# Altium PCB Minion.PcbDoc (part 5 of 10) (continued)
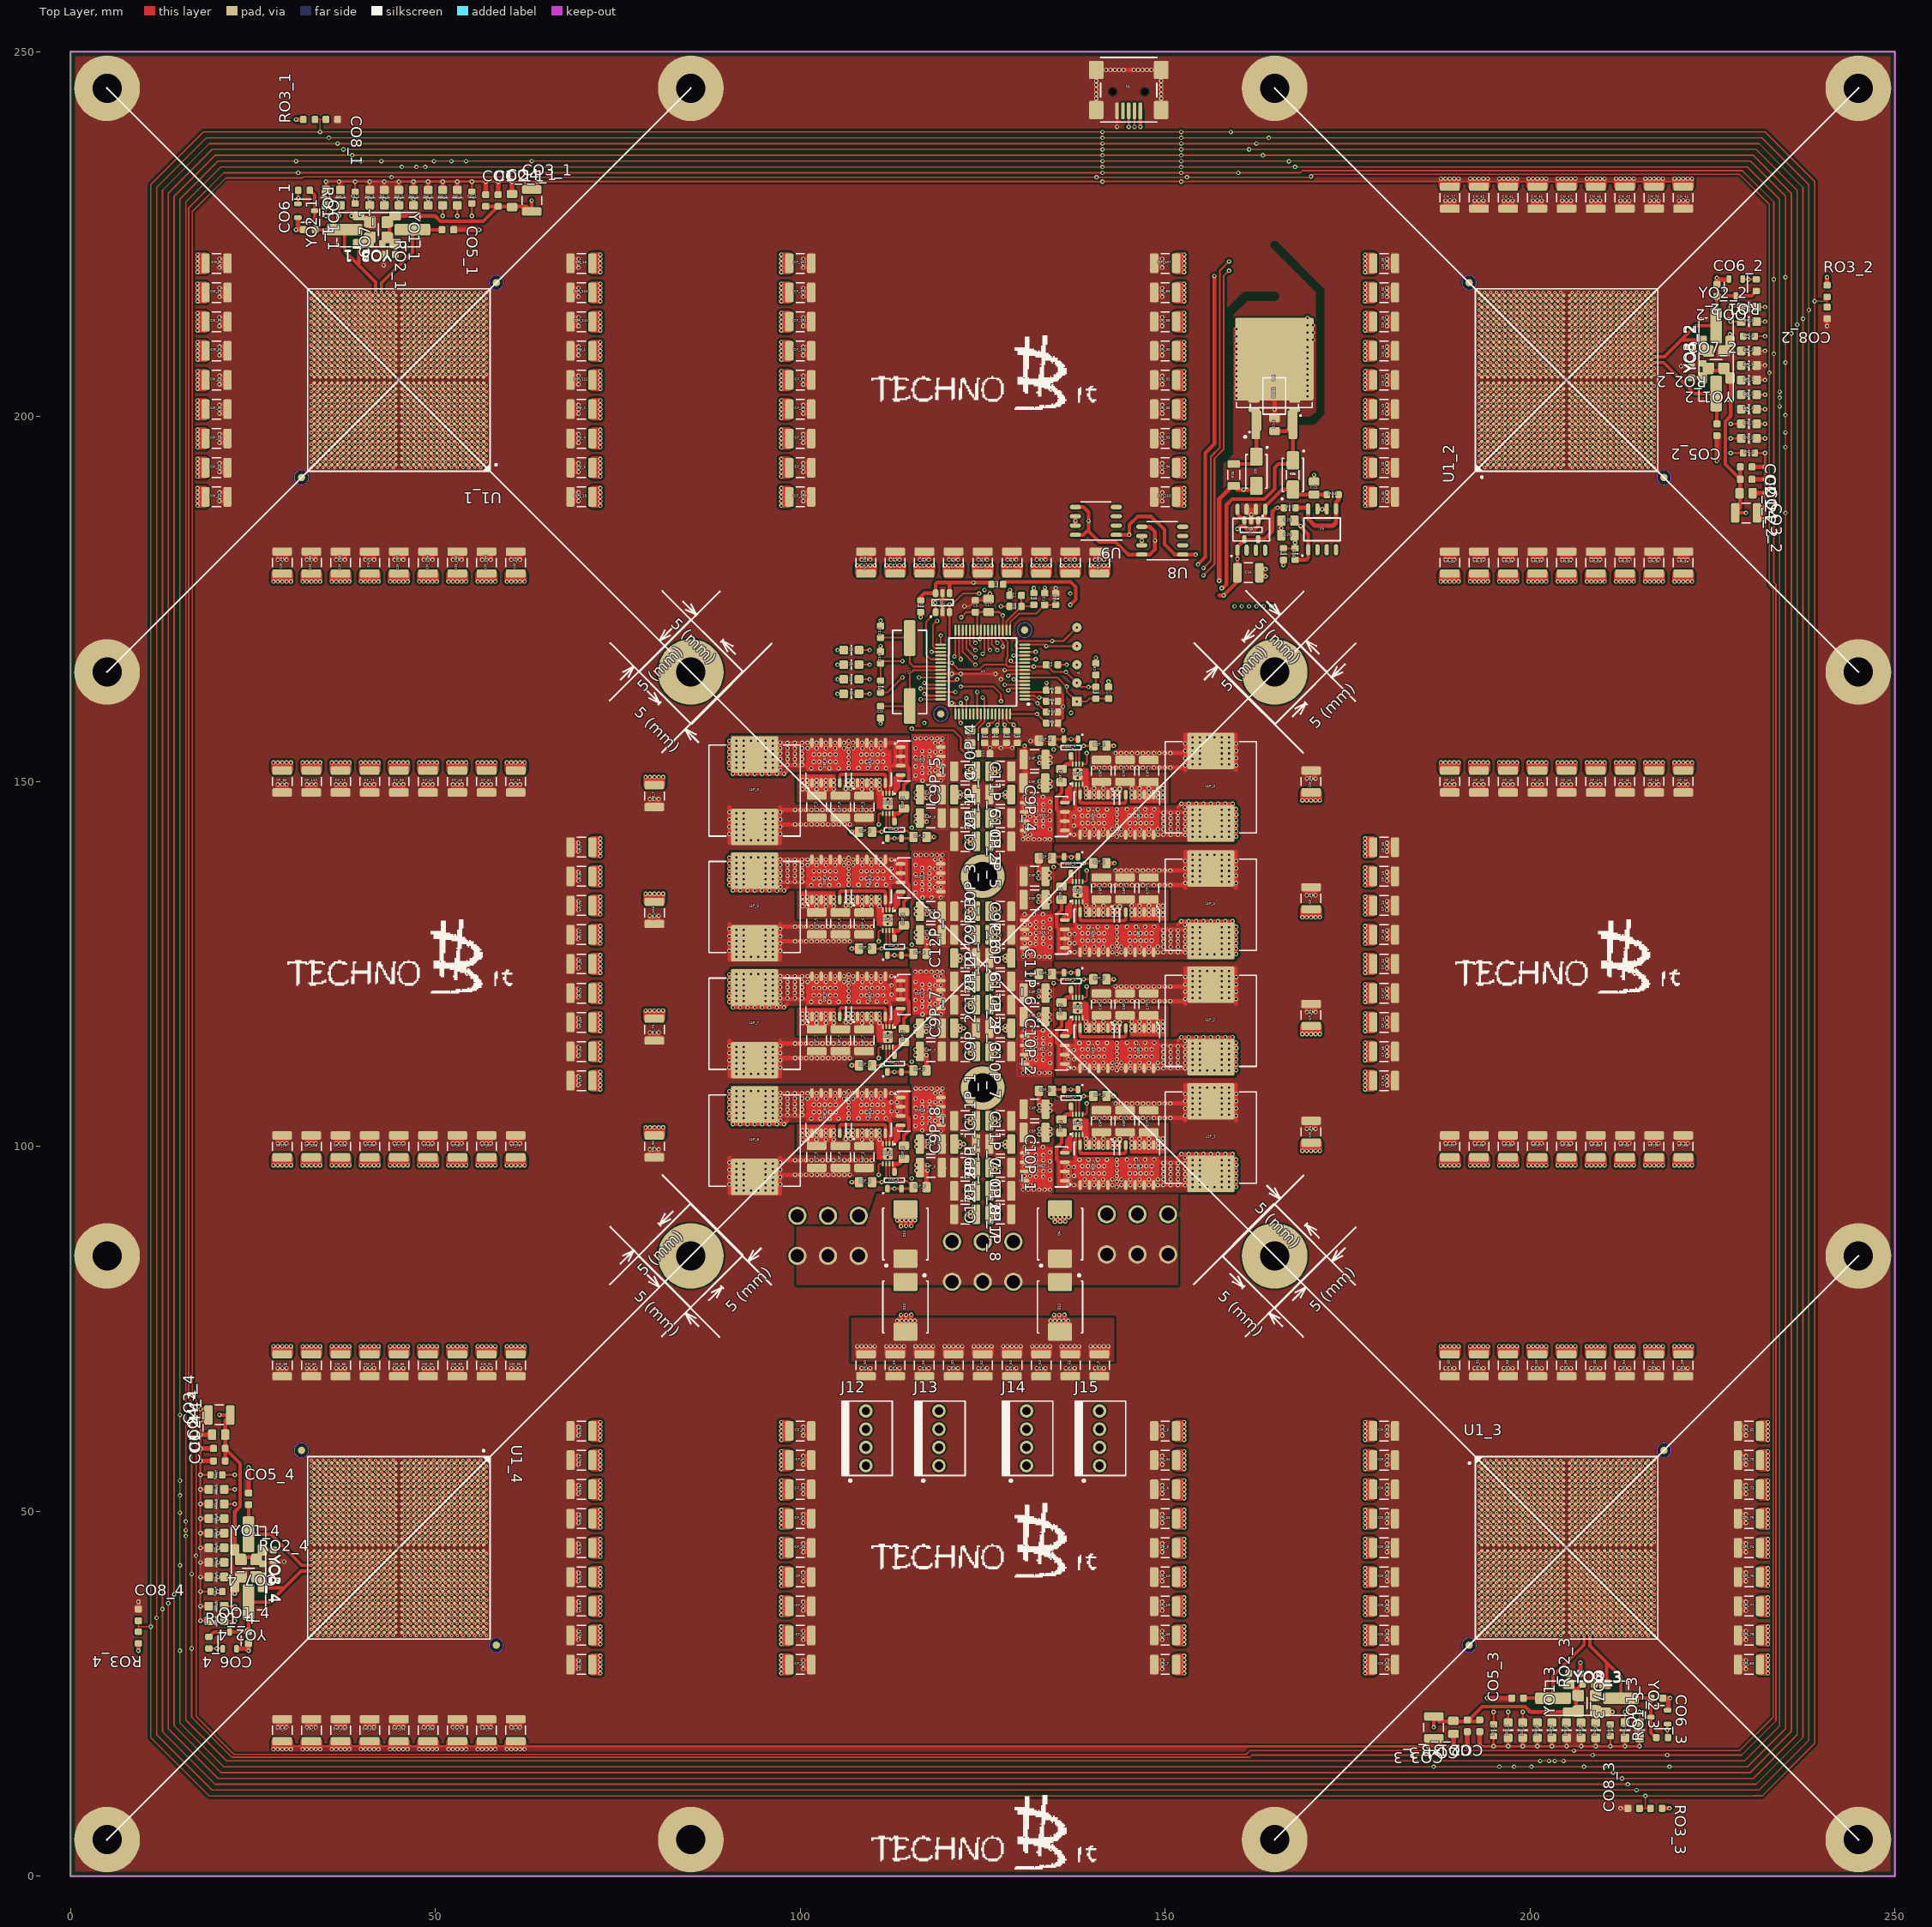
[diagram p0: Top Layer view]
## Nets (pads, with @x,y where several pads share a name; then routed paths per layer and width w, separated by ;. In a path a pad name is that pad's centre, name@x,y a point inside that pad or via, vN(x,y) a via of type N, cw(c..) or ccw(c..) an arc to the next point about the centre after c; other vN are vias at no path point) (continued)
0.9V: C26.1 R29.2 R31.2 U1_1.AJ16 U1_2.AJ16 U1_3.AJ16 U1_4.AJ16 | length 977.6
  Top Layer w0.2: v1@43.975,232.825 31.925,232.825 31.8,232.7 21.3,232.7 16.7,228.1 16.7,65.7 17.2,65.2 17.2,21.9 22.4,16.7 161.1,16.7 161.6,17.2 228.7,17.2 233.3,21.8 233.3,176.4 232.8,176.9 232.8,229.1 228.7,233.2 170.3,233.2 169.9,232.8 v1(140.6,232.8) 64.284,232.8
  Top Layer w0.25: v1@43.975,232.825 v1(44,232.8) 44.025,232.825 64.259,232.825 64.284,232.8 ; R31.2@166.312,181.95 167.787,181.95 167.787,183.65 C26.1@167.712,183.725
  Mid-Top Layer w0.2: v1(17.2,43.9) 21,43.9 21.9,44.8 33.2,44.8 v2(33.8,44.2) ; v2(205.8,33.8) 205.2,33.2 205.2,22.5 206,21.7 v1(206,17.2) ; v2(216.2,205.8) 216.7,205.3 217.7,205.3 218.4,206 v1(232.8,206)
  Mid-Top Layer w0.25: v1(44,232.8) 44,229.1 44.8,228.3 44.8,216.8 v2(44.2,216.2) ; v1(167.8,182.725) 169.3,184.225 169.3,202.066 168.875,202.491 168.875,231.775 v1(170,232.9)
  other v1: 153,232.8
1.8V: C25.2 R29.1 U1_1.AJ12 U1_1.AJ15 U1_1.AK13 U1_2.AJ12 U1_2.AJ15 U1_2.AK13 U1_3.AJ12 U1_3.AJ15 U1_3.AK13 U1_4.AJ12 U1_4.AJ15 U1_4.AK13 U6.1 | length 1208.8
  Top Layer w0.2: 15.8,21.4 v1(15.8,46.6) v1(15.8,47.4) v1(15.8,48.6) 15.8,229.4 20.6,234.2 v1(45.4,234.2) v1(47.4,234.2) v1(48.6,234.2) 229.8,234.2 234.2,229.8 234.2,20.6 229.4,15.8 v1(204.6,15.8) v1(203.4,15.8) v1(202.6,15.8) v1(201.4,15.8) 21.4,15.8 15.8,21.4
  Top Layer w0.5: C25.2@167.712,185.75 169.595,183.867 U6.1@169.595,181.75 169.595,180.645 169.325,180.375 R29.1@167.812,180.375
  Mid-Top Layer w0.1: 32.5,48.6 33.4,48.6 v2(33.8,48.2) ; v2(48.2,216.2) 48.6,216.6 48.6,217.5 ; 201.4,33.4 v2(201.8,33.8) 201.4,33.4 ; 201.4,33.4 201.4,32.5 201.4,33.4 ; 216.6,201.4 v2(216.2,201.8) 216.6,201.4 ; 216.6,201.4 217.5,201.4 216.6,201.4
  Mid-Top Layer w0.2: v1(15.8,46.6) 16.2,46.2 31.5,46.2 32.4,45.3 33.3,45.3 v2(33.8,45.8) ; v1(15.8,47.4) 16.2,47.8 32.6,47.8 v2(33,47.4) ; v1(15.8,48.6) 16.2,48.2 32.1,48.2 32.5,48.6 ; v1(45.4,234.2) 45.8,233.8 45.8,217.8 45.3,217.3 45.3,216.7 v2(45.8,216.2) ; v2(47.4,217) 47.8,217.4 47.8,233.8 v1(47.4,234.2) ; 48.6,217.5 48.2,217.9 48.2,233.8 v1(48.6,234.2) ; v1(201.4,15.8) 201.8,16.2 ; v1(202.6,15.8) 202.2,16.2 ; v1(203.4,15.8) 204.4,16.8 204.4,32.2 204.7,32.5 204.7,33.3 v2(204.2,33.8) ; 204.2,16.2 v1(204.6,15.8) ; v2(216.2,204.2) 216.8,204.8 228.7,204.8 229.7,203.8 233.8,203.8 v1(234.2,203.4) ; v1(234.2,201.4) 233.8,201.8 ; v1(234.2,202.6) 233.8,202.2 ; 201.8,16.2 201.8,32.1 ; 201.8,16.2 201.8,32.1 ; 201.8,32.1 201.4,32.5 201.8,32.1 ; 202.2,16.2 202.2,32.6 ; 202.2,16.2 202.2,32.6 ; 202.2,32.6 v2(202.6,33) 202.2,32.6 ; 217.4,202.2 v2(217,202.6) 217.4,202.2 ; 217.4,202.2 233.8,202.2 ; 217.4,202.2 233.8,202.2 ; 217.9,201.8 217.5,201.4 217.9,201.8 ; 217.9,201.8 233.8,201.8 ; 217.9,201.8 233.8,201.8
  Mid-Top Layer w0.5: v1(167.8,234.2) 167.8,185.762 v1(168.562,185)
  other v1: 141.4,234.2 152.2,234.2
3.3V: C4.1 C8.1 C9.1 C10.1 C11.1 C16.1 C17.1 CO1_1.1 CO1_2.1 CO1_3.1 CO1_4.1 CO2_1.1 CO2_2.1 CO2_3.1 CO2_4.1 CO3_1.1 CO3_2.1 CO3_3.1 CO3_4.1 CO4_1.1 CO4_2.1 CO4_3.1 CO4_4.1 CO7_1.1 CO7_2.1 CO7_3.1 CO7_4.1 J1.2 R17.1 R22.2 R27.1 RO2_1.2 RO2_2.2 RO2_3.2 RO2_4.2 RO3_1.2 RO3_2.2 RO3_3.2 RO3_4.2 U1.10 U1.19 U1.26 U1.35 U1.38 U1.57 U1_1.AJ19 U1_1.AJ23 U1_1.AK4 U1_1.AK6 U1_1.AK10 U1_2.AJ19 U1_2.AJ20 U1_2.AJ23 U1_2.AK4 U1_2.AK6 U1_2.AK10 U1_3.AJ19 U1_3.AJ23 U1_3.AK4 U1_3.AK6 U1_3.AK10 U1_3.AK21 U1_4.AJ19 U1_4.AJ20 U1_4.AJ23 U1_4.AK4 U1_4.AK6 U1_4.AK10 U1_4.AK21 U3.4 U3.5 U7.1 U8.1 U9.1 YO1_1.1 YO1_1.4 YO1_2.1 YO1_2.4 YO1_3.1 YO1_3.4 YO1_4.1 YO1_4.4 YO3_1.1 YO3_1.4 YO3_2.1 YO3_2.4 YO3_3.1 YO3_3.4 YO3_4.1 YO3_4.4 YO4_1.1 YO4_1.4 YO4_2.1 YO4_2.4 YO4_3.1 YO4_3.4 YO4_4.1 YO4_4.4 YO5_1.1 YO5_1.4 YO5_2.1 YO5_2.4 YO5_3.1 YO5_3.4 YO5_4.1 YO5_4.4 | length 1808.4
  Top Layer w0.2: v1(15,63.2) v1(15,54.2) ; 140.6,235 230.2,235 235,230.2 235,20.2 229.8,15 v1(210.2,15) v1(207.4,15) v1(197.8,15) 21,15 15,21 v1(15,39.8) v1(15,42.6) v1(15,52.2) v1(15,54.2) ; v1(141.4,235) v1(63.2,235) v1(54.2,235) v1(52.2,235) v1(42.6,235) v1(39.8,235) 20.2,235 15,229.8 v1(15,54.2)
  Top Layer w0.25: R17.1@111,163.8 C10.1@111,166.2 111.3,166.5 v1(114,166.5) ; v1(118,167.75) U1.35@119.25,167.75 ; U1.38@119.25,166.25 v1(120.75,166.25) 121.625,165.375 124.575,165.375 125.2,166 128.225,166 ; v1(122.05,172.5) 122.725,173.175 122.725,173.2 C9.1@124,173.2 ; U1.26@124.25,170.75 124.25,172.95 C9.1@124,173.2 ; C11.1@124.425,153.825 124.425,154.831 124.425,157.369 125.25,158.194 U1.57@125.25,159.25 125.25,161.25 v1(125,161.5) ; C8.1@140.5,164.6 R22.2@140.5,162.95 v1(139.5,162.95) 138.45,162.95 v1(137.9,163.5) v1(136.4,165) 134.7,165 C4.1@133.7,166 133.45,165.75 v1(132,165.75) U1.10@130.75,165.75 128.475,165.75 128.225,166 ; C9.1@124,173.2 C17.1@125.8,173.2 127.3,173.2 v1(127.75,172.75) U1.19@127.75,170.75 127.75,169.825 128.425,169.15 128.425,166.984 128.225,166.784 128.225,166
  Top Layer w0.5: v1(20.4,63.2) CO3_4.1@21.9,63.2 21.2,62.5 CO2_4.1@21.2,58.601 ; CO1_4.1@21.2,56.9 CO2_4.1@21.2,58.601 ; RO2_4.2@26.3,42.7 26.3,42.9 YO3_4.4@25.5,43.7 ; YO1_4.4@26.3,44.5 YO3_4.4@25.5,43.7 ; YO1_4.4@26.3,44.7 CO7_4.1@27.8,44.7 ; RO2_1.2@42.7,223.7 42.9,223.7 YO3_1.4@43.7,224.5 ; CO7_1.1@44.5,222.2 YO1_1.4@44.5,223.7 YO3_1.4@43.7,224.5 ; CO1_1.1@56.9,228.8 CO2_1.1@58.601,228.8 ; v1(63.2,229.6) CO3_1.1@63.2,228.1 62.5,228.8 CO2_1.1@58.601,228.8 ; C11.1@124.4,153.8 C11.1@124.425,153.825 ; U9.1@143.3,183.795 v1(145.083,183.795) ; v1@145.1,183.795 145.1,185.2 146.2,186.3 148.1,186.3 149.9,184.5 149.9,182.5 151.305,181.095 U8.1@152.4,181.095 v1(154.183,181.095) ; 157.4,175.5 v1(158,175.5) 160,177.5 160,178.7 C16.1@159.9,178.6 v1(159.9,180.5) 159.9,182.145 160.855,183.1 U3.5@162.755,183.1 ; U3.5@162.745,183.2 163.6,183.2 164.695,184.295 164.695,187 165.195,187.5 v1(165.4,187.5) R27.1@166.262,187.5 ; v1(186.8,20.4) CO3_3.1@186.8,21.9 187.5,21.2 CO1_3.1@191.399,21.2 ; CO2_3.1@193.1,21.2 CO1_3.1@191.399,21.2 ; YO1_3.4@205.3,26.3 CO7_3.1@205.3,27.8 ; YO1_3.4@205.5,26.3 YO3_3.4@206.3,25.5 ; RO2_3.2@207.3,26.3 207.1,26.3 YO3_3.4@206.3,25.5 ; CO7_2.1@222.1,205.3 YO1_2.4@223.6,205.3 ; YO1_2.4@223.7,205.5 YO3_2.4@224.5,206.3 ; RO2_2.2@223.7,207.3 223.7,207.1 YO3_2.4@224.5,206.3 ; CO2_2.1@228.8,193.1 CO1_2.1@228.8,191.399 ; v1(229.6,186.8) CO3_2.1@228.1,186.8 228.8,187.5 CO1_2.1@228.8,191.399 ; CO2_4.1@21.2,58.601 23.25,56.551 23.25,50.689 22.5,49.939 22.5,44.5 23.3,43.7 YO3_4.4@25.5,43.7 ; YO3_1.4@43.7,224.5 43.7,226.7 YO1_1.1@44.5,227.5 49.939,227.5 50.689,226.75 56.551,226.75 CO2_1.1@58.601,228.8 ; CO1_3.1@191.399,21.2 193.449,23.25 199.311,23.25 200.061,22.5 205.5,22.5 206.3,23.3 YO3_3.4@206.3,25.5 ; YO3_2.4@224.5,206.3 226.7,206.3 227.5,205.5 227.5,200.061 226.75,199.311 226.75,193.449 CO1_2.1@228.8,191.399
  Top Layer w0.6: v1(9.3,30.9) RO3_4.2@9.3,31.9 ; v1(30.9,240.7) RO3_1.2@31.9,240.7 ; RO3_3.2@218.1,9.3 v1(219.1,9.3) ; RO3_2.2@240.7,218.1 v1(240.7,219.1)
  Mid-Top Layer w0.1: 32.5,39 33.4,39 v2(33.8,38.6) ; 32.5,42.2 33.4,42.2 v2(33.8,41.8) ; v2(38.6,216.2) 39,216.6 39,217.5 ; v2(41.8,216.2) 42.2,216.6 42.2,217.5 ; 207.8,33.4 v2(208.2,33.8) 207.8,33.4 ; 207.8,33.4 207.8,32.5 207.8,33.4 ; 211,33.4 v2(211.4,33.8) 211,33.4 ; 211,33.4 211,32.5 211,33.4 ; 216.6,207.8 v2(216.2,208.2) 216.6,207.8 ; 216.6,207.8 217.5,207.8 216.6,207.8 ; 216.6,211 v2(216.2,211.4) 216.6,211 ; 216.6,211 217.5,211 216.6,211
  Mid-Top Layer w0.2: v1(9.3,30.9) v1(15,30.9) ; v1(15,39.8) 31.7,39.8 ; v1(15,42.6) 15.4,42.2 32.5,42.2 ; v1(15,49.8) v2(33,49.8) ; v1(15,52.2) 32.2,52.2 v2(33,53) ; v1(15,54.2) 32.6,54.2 v2(33,54.6) ; v1(30.9,235) v1(30.9,240.7) ; 32.5,39 31.7,39.8 ; v2(33.8,41) 32.6,39.8 31.7,39.8 ; 39,217.5 39.8,218.3 v1(39.8,235) ; 42.2,217.5 42.2,234.6 v1(42.6,235) ; v2(49.8,217) v1(49.8,235) ; v1(52.2,235) 52.2,217.8 v2(53,217) ; v1(54.2,235) 54.2,217.4 v2(54.6,217) ; v1(207.4,15) 207.8,15.4 ; v2(209.8,33) 210.2,32.6 210.2,31.7 ; v2(216.2,208.2) v2(216.2,209) ; v1(219.1,9.3) v1(219.1,15) ; v1(235,207.4) 234.6,207.8 ; v1(235,219.1) v1(240.7,219.1) ; 195.8,32.6 v2(195.4,33) 195.8,32.6 ; 195.8,32.6 v1(195.8,15) 195.8,32.6 ; 197.8,32.2 v2(197,33) 197.8,32.2 ; 197.8,32.2 v1(197.8,15) 197.8,32.2 ; 207.8,15.4 207.8,32.5 207.8,15.4 ; 210.2,31.7 211,32.5 210.2,31.7 ; 210.2,31.7 v1(210.2,15) 210.2,31.7 ; 217.4,195.8 v2(217,195.4) 217.4,195.8 ; 217.4,195.8 v1(235,195.8) 217.4,195.8 ; 217.8,197.8 v2(217,197) 217.8,197.8 ; 217.8,197.8 v1(235,197.8) 217.8,197.8 ; 218.3,210.2 217.5,211 218.3,210.2 ; 218.3,210.2 v1(235,210.2) 218.3,210.2 ; 234.6,207.8 217.5,207.8 234.6,207.8 ; v1(200.2,15) v2(200.2,33) v1(200.2,15) ; v2(217,200.2) v1(235,200.2) v2(217,200.2)
  Mid-Top Layer w0.25: v1(114,166.5) 115.25,167.75 v1(118,167.75) 119.25,167.75 v1(120.75,166.25) 121.625,165.375 122.5,165.375 123.375,164.5 123.375,162.15 124.025,161.5 v1(125,161.5)
  Mid-Top Layer w0.5: v1(165.4,187.5) 166.05,187.5 166.96,188.41 v1(166.96,234.96)
  Mid-Bottom Layer w0.2: v1(15,63.2) v1(20.4,63.2) ; v1(63.2,229.6) v1(63.2,235) ; v1(186.8,15) v1(186.8,20.4) ; v1(229.6,186.8) v1(235,186.8)
  Mid-Bottom Layer w0.25: v1@120.775,166.25 v1(120.75,166.25) 120.35,166.65 120.35,170.8 v1(122.05,172.5)
  Mid-Bottom Layer w0.5: v1(127.75,172.75) 130,175 157.5,175 v1(158,175.5) ; v1(154.183,181.095) 159.305,181.095 v1(159.9,180.5)
  other v1: 152.2,235
  other v2: 33,40.2
5.0V: C1P_1.2 C1P_2.2 C1P_3.2 C1P_4.2 C1P_5.2 C1P_6.2 C1P_7.2 C1P_8.2 C14.1 D1P_1.1 D1P_1.2 D1P_2.1 D1P_2.2 D1P_3.1 D1P_3.2 D1P_4.1 D1P_4.2 D1P_5.1 D1P_5.2 D1P_6.1 D1P_6.2 D1P_7.1 D1P_7.2 D1P_8.1 D1P_8.2 D7.1 D8.2 pad.0@115.5,94.4 pad.0@115.5,110.4 pad.0@115.5,126.4 pad.0@115.5,142.4 pad.0@134.5,107.6 pad.0@134.5,123.6 pad.0@134.5,139.5 pad.0@134.5,155.6 R26.1 U1P_1.7 U1P_2.7 U1P_3.7 U1P_4.7 U1P_5.7 U1P_6.7 U1P_7.7 U1P_8.7 U2.1 U4.3 U5.3 | length 299.7
  Top Layer w0.2: U1P_8.7@112.225,97.6 112.225,95.925 112.9,95.25 ; U1P_7.7@112.225,113.6 112.225,111.925 112.9,111.25 ; U1P_6.7@112.225,129.6 112.225,127.925 112.9,127.25 ; U1P_5.7@112.225,145.6 112.225,143.925 112.9,143.25 ; 137.1,106.75 137.775,106.075 U1P_1.7@137.775,104.4 ; 137.1,122.75 137.775,122.075 U1P_2.7@137.775,120.4 ; 137.1,138.65 137.775,137.975 U1P_3.7@137.775,136.3 ; 137.1,154.75 137.775,154.075 U1P_4.7@137.775,152.4
  Top Layer w0.25: 112.9,95.25 114.65,95.25 pad.0@115.5,94.4 ; 112.9,111.25 114.65,111.25 pad.0@115.5,110.4 ; 112.9,127.25 114.65,127.25 pad.0@115.5,126.4 ; 112.9,143.25 114.65,143.25 pad.0@115.5,142.4 ; v1(122,163) 126.5,163 127.5,162 v1(127.5,161) ; C1P_1.2@134.5,107.6 135.35,106.75 137.1,106.75 ; C1P_2.2@134.5,123.6 135.35,122.75 137.1,122.75 ; C1P_3.2@134.5,139.5 135.35,138.65 137.1,138.65 ; C1P_4.2@134.5,155.6 135.35,154.75 137.1,154.75
  Top Layer w0.35: D1P_8.1@111.95,94.2 v1(112.9,94.2) pad.0@115.4,94.2 ; D1P_7.1@111.95,110.2 v1(112.9,110.2) pad.0@115.4,110.2 ; D1P_6.1@111.95,126.2 v1(112.9,126.2) pad.0@115.4,126.2 ; D1P_5.1@111.95,142.2 v1(112.9,142.2) pad.0@115.4,142.2 ; C1P_1.2@134.6,107.8 v1(137.1,107.8) D1P_1.1@138.05,107.8 ; C1P_2.2@134.6,123.8 v1(137.1,123.8) D1P_2.1@138.05,123.8 ; C1P_3.2@134.6,139.7 D1P_3.1@138.05,139.7 ; C1P_4.2@134.6,155.8 v1(137.1,155.8) D1P_4.1@138.05,155.8
  Top Layer w0.5: v1(157.75,176.5) 157.9,176.5 158.4,177 158.4,187.9 159.2,188.7 163.6,188.7 165,190.1 165,193 165.5,193.5 R26.1@167.5,193.5 D7.1@167.5,194 U4.3@167.5,198.875 166.625,198 C14.1@165,198
  Mid-Top Layer w0.25: v1(112.9,94.2) 114.175,95.475 114.175,110.225 ; v1(112.9,110.2) 112.925,110.225 114.175,110.225 ; v1(112.9,126.2) 114.175,126.2 ; v1(112.9,142.2) 114.175,142.2 ; 114.175,127.18 114.175,142.2 ; 114.175,127.179 114.175,126.2 ; v1(117,158) 116.225,158.775 115.07,158.775 114.175,157.879 114.175,142.2 ; 135.8,138 135.8,155.8 v1(137.1,155.8) ; v1(137.1,107.8) 135.8,109.1 135.8,123.8 ; v1(137.1,123.8) 135.8,123.8 ; v1(137.151,139.601) 137.2,139.65 135.8,139.65 135.8,123.8 ; 114.175,110.225 114.175,126.2
  Mid-Top Layer w0.5: v1(137,175.75) 136,175.75 135.425,175.175 135.425,162.675 137.1,161 v1(137.1,159.4)
  Mid-Bottom Layer w0.25: v1(117,158) 117,160.25 119.75,163 v1(122,163) ; v1(127.5,161) 128.5,160 132.95,160 133.55,159.4 v1(137.1,159.4) v1(137.1,155.8)
  Mid-Bottom Layer w0.5: v1(137,175.75) 157,175.75 v1(157.75,176.5)
12V: C4P_1.1 C4P_2.1 C4P_3.1 C4P_4.1 C4P_5.1 C4P_6.1 C4P_7.1 C4P_8.1 C5P_1.1 C5P_2.1 C5P_3.1 C5P_4.1 C5P_5.1 C5P_6.1 C5P_7.1 C5P_8.1 C9P_1.1 C9P_2.1 C9P_3.1 C9P_4.1 C9P_5.1 C9P_6.1 C9P_7.1 C9P_8.1 C10P_1.1 C10P_2.1 C10P_3.1 C10P_4.1 C10P_5.1 C10P_6.1 C10P_7.1 C10P_8.1 C11P_1.1 C11P_2.1 C11P_3.1 C11P_4.1 C11P_5.1 C11P_6.1 C11P_7.1 C11P_8.1 C12P_1.1 C12P_2.1 C12P_3.1 C12P_4.1 C12P_5.1 C12P_6.1 C12P_7.1 C12P_8.1 D6.1 D9.2 D10.1 D11.1 D12.1 J4.2 J4.4 J4.6 J9.2 J9.4 J9.6 J10.2 J10.4 J10.6 J12.3 J13.3 J14.3 J15.3 pad.0@119.6,144.8 pad.0@119.6,148 pad.0@119.7,97 pad.0@119.7,100.2 pad.0@119.625,128.9 pad.0@119.625,132.1 pad.0@130.4,133.8 pad.0@130.4,137 pad.0@130.5,101.9 pad.0@130.5,105.1 pad.0@130.5,149.8 pad.0@130.5,153 Q1P_1.5 Q1P_1.6 Q1P_1.7 Q1P_1.8 Q1P_2.5 Q1P_2.6 Q1P_2.7 Q1P_2.8 Q1P_3.5 Q1P_3.6 Q1P_3.7 Q1P_3.8 Q1P_4.5 Q1P_4.6 Q1P_4.7 Q1P_4.8 Q1P_5.5 Q1P_5.6 Q1P_5.7 Q1P_5.8 Q1P_6.5 Q1P_6.6 Q1P_6.7 Q1P_6.8 Q1P_7.5 Q1P_7.6 Q1P_7.7 Q1P_7.8 Q1P_8.5 Q1P_8.6 Q1P_8.7 Q1P_8.8 R15.1 R28.2 | length 311
  Top Layer w0.4: 116.115,102.86 116.3,103.045 ; 116.115,118.86 116.3,119.045 ; 116.115,134.86 116.3,135.045 ; 116.115,150.86 116.3,151.045 ; 133.7,98.955 133.885,99.14 ; 133.7,114.955 133.885,115.14 ; 133.7,130.855 133.885,131.04 ; 133.7,146.955 133.885,147.14
  Top Layer w0.5: 116.115,102.86 116.115,107.922 119.25,107.922 Q1P_8.5@119.25,102.895 ; 116.115,118.86 116.115,123.922 119.25,123.922 Q1P_7.5@119.25,118.895 ; 116.115,134.86 116.115,139.922 119.25,139.922 Q1P_6.5@119.25,134.895 ; 116.115,150.86 116.115,155.922 119.25,155.922 Q1P_5.5@119.25,150.895 ; 117.868,107.325 119.618,107.325 119.618,102.325 v1@118.118,102.325 ; 117.868,123.325 119.618,123.325 119.618,118.325 v1@118.118,118.325 ; 117.868,139.325 119.618,139.325 119.618,134.325 v1@118.118,134.325 ; 117.868,155.325 119.618,155.325 119.618,150.325 v1@118.118,150.325 ; Q1P_1.5@130.75,99.105 130.75,94.078 133.885,94.078 133.885,99.14 ; Q1P_2.5@130.75,115.105 130.75,110.078 133.885,110.078 133.885,115.14 ; Q1P_3.5@130.75,131.005 130.75,130.85 v1(130.75,130.37) v1(130.75,129.1) v1(130.75,127.83) v1(130.75,126.605) v1@130.75,126.575 ; Q1P_4.5@130.751,147.105 130.75,142.078 133.885,142.078 133.885,147.14 ; v1@131.882,99.675 130.382,99.675 130.382,94.675 132.132,94.675 ; v1@131.882,115.675 130.382,115.675 130.382,110.675 132.132,110.675 ; v1@131.882,131.575 130.382,131.575 130.382,131.218 130.382,126.575 v1@130.75,126.575 ; v1@131.883,147.675 130.383,147.675 130.383,142.675 132.133,142.675 ; 132.132,126.575 v1@130.75,126.575 ; 133.885,131.04 133.885,125.978 v1(133.5,125.978) v1(132.75,125.978) v1(132,125.978) v1(131.25,125.978) 130.75,125.978 v1@130.75,126.575
  Top Layer w0.6: Q1P_3.5@130.382,131.218 Q1P_3.5@130.75,130.85 ; v1(130.75,154.9) 130.75,151.454 130.966,151.238 ; R15.1@132,175.8 v1(132,176.5) ; v1(157.4,177.5) 157.4,188.7 159.2,190.5 R28.2@159.4,190.5 159.9,190 v1(160.75,190) D9.2@162.5,190
  Mid-Top Layer w0.6: J9.2@120.8,81.45 111.35,81.45 105.7,75.8 105.7,64.55 J12.3@109,61.25 J13.3@119,61.25 J14.3@131,61.25 J15.3@141,61.25 ; v1(130.75,154.9) 130.75,156.131 131.225,156.606 131.225,165.394 131.2,165.419 131.2,166.081 131.225,166.106 131.225,175.725 v1(132,176.5)
  Mid-Bottom Layer w0.5: 130.095,131.025 v1(130.75,130.37) ; v1(132,176.5) 132.8,175.7 135.7,175.7 136.5,176.5 156.4,176.5 v1(157.4,177.5)
  other v1: 130.5,94.078 131.25,94.078 132,94.078 132.75,94.078 133.5,94.078 134.232,94.078 130.75,94.705 131.5,94.706 134.214,95.45 132.3,95.85 133.3,95.85 130.75,95.93 131.5,95.955 132.3,96.6 133.3,96.6 134.214,96.7 130.75,97.2 131.5,97.2 132.3,97.35 133.3,97.35 134.214,97.95 132.3,98.1 133.3,98.1 130.75,98.47 131.5,98.48 132.3,98.85 133.3,98.85 134.214,99.2 130.75,99.9 132,99.9 133.25,99.9 118,102.1 119.25,102.1 116.7,102.2 115.786,102.8 116.7,103.15 117.7,103.15 118.5,103.52 119.25,103.53 116.7,103.9 117.7,103.9 115.786,104.05 116.7,104.65 117.7,104.65 118.5,104.8 119.25,104.8 115.786,105.3 116.7,105.4 117.7,105.4 118.5,106.045 119.25,106.07 116.7,106.15 117.7,106.15 115.786,106.55 118.5,107.295 119.25,107.295 115.8,107.925 116.5,107.922 117.25,107.922 118,107.922 118.75,107.922 119.5,107.922 130.5,110.078 131.25,110.078 132,110.078 132.75,110.078 133.5,110.078 134.2,110.075 130.75,110.705 131.5,110.706 134.214,111.45 132.3,111.85 133.3,111.85 130.75,111.93 131.5,111.955 132.3,112.6 133.3,112.6 134.214,112.7 130.75,113.2 131.5,113.2 132.3,113.35 133.3,113.35 134.214,113.95 132.3,114.1 133.3,114.1 130.75,114.47 131.5,114.48 132.3,114.85 133.3,114.85 134.214,115.2 130.75,115.9 132,115.9 133.25,115.9 116.75,118.1 118,118.1 119.25,118.1 115.786,118.8 116.7,119.15 117.7,119.15 118.5,119.52 119.25,119.53 116.7,119.9 117.7,119.9 115.786,120.05 116.7,120.65 117.7,120.65 118.5,120.8 119.25,120.8 115.786,121.3 116.7,121.4 117.7,121.4 118.5,122.045 119.25,122.07 116.7,122.15 117.7,122.15 115.786,122.55 118.5,123.295 119.25,123.295 115.768,123.922 116.5,123.922 117.25,123.922 118,123.922 118.75,123.922 119.5,123.922 130.5,125.978 134.2,125.975 131.5,126.606 134.214,127.35 132.3,127.75 133.3,127.75 131.5,127.855 132.3,128.5 133.3,128.5 134.214,128.6 131.5,129.1 132.3,129.25 133.3,129.25 134.214,129.85 132.3,130 133.3,130 131.5,130.38 132.3,130.75 133.3,130.75 134.214,131.1 130.75,131.8 132,131.8 133.25,131.8 116.75,134.1 118,134.1 119.25,134.1 115.786,134.8 116.7,135.15 117.7,135.15 118.5,135.52 119.25,135.53 116.7,135.9 117.7,135.9 115.786,136.05 116.7,136.65 117.7,136.65 118.5,136.8 119.25,136.8 115.786,137.3 116.7,137.4 117.7,137.4 118.5,138.045 119.25,138.07 116.7,138.15 117.7,138.15 115.786,138.55 118.5,139.295 119.25,139.295 115.8,139.925 116.5,139.922 117.25,139.922 118,139.922 118.75,139.922 119.5,139.922 130.5,142.078 131.25,142.078 132,142.078 132.75,142.078 133.5,142.078 134.2,142.075 130.75,142.705 131.5,142.706 134.215,143.45 132.3,143.85 133.3,143.85 130.75,143.93 131.5,143.955 132.3,144.6 133.3,144.6 134.215,144.7 130.75,145.2 131.5,145.2 132.3,145.35 133.3,145.35 134.215,145.95 132.3,146.1 133.3,146.1 130.75,146.47 131.5,146.48 132.3,146.85 133.3,146.85 134.215,147.2 130.75,147.9 132,147.9 133.25,147.9 116.75,150.1 118,150.1 119.25,150.1 115.786,150.8 116.7,151.15 117.7,151.15 118.5,151.52 119.25,151.53 116.7,151.9 117.7,151.9 115.786,152.05 116.7,152.65 117.7,152.65 118.5,152.8 119.25,152.8 115.786,153.3 116.7,153.4 117.7,153.4 118.5,154.045 119.25,154.07 116.7,154.15 117.7,154.15 115.786,154.55 118.5,155.295 119.25,155.295 115.768,155.922 116.5,155.922 117.25,155.922 118,155.922 118.75,155.922 119.5,155.922
BOOT1: C3P_1.1 D1P_1.3 pad.0@135.8,103.7 pad.0@137.1,105.5 U1P_1.8 | length 1.6
  Top Layer w0.6: C3P_1.1@135.8,103.7 136.5,104.4 136.775,104.4 137.1,104.4
BOOT2: C3P_2.1 D1P_2.3 pad.0@135.8,119.7 pad.0@137.1,121.5 U1P_2.8 | length 1.6
  Top Layer w0.6: C3P_2.1@135.8,119.7 136.5,120.4 136.775,120.4 137.1,120.4
BOOT3: C3P_3.1 D1P_3.3 pad.0@135.8,135.6 pad.0@137.1,137.4 U1P_3.8 | length 1.6
  Top Layer w0.6: C3P_3.1@135.8,135.6 136.5,136.3 136.775,136.3 137.1,136.3
BOOT4: C3P_4.1 D1P_4.3 pad.0@135.8,151.7 pad.0@137.1,153.5 U1P_4.8 | length 1.6
  Top Layer w0.6: C3P_4.1@135.8,151.7 136.5,152.4 136.775,152.4 137.101,152.4
BOOT5: C3P_5.1 D1P_5.3 pad.0@112.9,144.5 pad.0@114.2,146.3 U1P_5.8 | length 1.6
  Top Layer w0.6: 112.9,145.6 113.225,145.6 113.5,145.6 pad.0@114.2,146.3
BOOT6: C3P_6.1 D1P_6.3 pad.0@112.9,128.5 pad.0@114.2,130.3 U1P_6.8 | length 1.6
  Top Layer w0.6: 112.9,129.6 113.225,129.6 113.5,129.6 pad.0@114.2,130.3
BOOT7: C3P_7.1 D1P_7.3 pad.0@112.9,112.5 pad.0@114.2,114.3 U1P_7.8 | length 1.6
  Top Layer w0.6: 112.9,113.6 113.225,113.6 113.5,113.6 pad.0@114.2,114.3
BOOT8: C3P_8.1 D1P_8.3 pad.0@112.9,96.5 pad.0@114.2,98.3 U1P_8.8 | length 1.6
  Top Layer w0.6: 112.9,97.6 113.225,97.6 113.5,97.6 pad.0@114.2,98.3
COMPFB+: U1.11 | length 2
  Top Layer w0.25: v1(128.85,166.525) 129.125,166.25 U1.11@130.75,166.25
COMPFB-: U1.12 | length 1.5
  Top Layer w0.25: U1.12@130.75,166.75 v1(132.25,166.75)
CSN4: U1.14 | length 1.5
  Top Layer w0.25: U1.14@130.75,167.75 v1(132.25,167.75)
CSP4: U1.13 | length 1.5
  Top Layer w0.25: v1(129.25,167.25) U1.13@130.75,167.25
D+: D5.1 J2.3 U1.37 | length 119.2
  Top Layer w0.25: v1(118.5,174.5) 118.55,174.45 D5.1@118.55,173.2 117.225,171.875 117.225,167.4 117.875,166.75 U1.37@119.25,166.75 ; v1(145,239.7) J2.3@145,241.9 ; v1(155.25,178.25) 156.75,179.75 156.75,194.25 158,195.5 158,219.25 v1(158.75,220)
  Mid-Top Layer w0.25: v1(118.5,174.5) 120.375,176.375 125.125,176.375 v1(125.25,176.25)
  Mid-Bottom Layer w0.25: v1(125.25,176.25) 126.6,177.6 154.6,177.6 v1(155.25,178.25) ; v1(145,239.7) 145,233.75 v1(158.75,220)
D-: D5.3 J2.2 U1.36 | length 115
  Top Layer w0.25: U1.36@119.25,167.25 120.25,167.25 120.45,167.45 D5.3@120.45,173.2 v1(120.45,174.25) 120.789,174.25 122.314,175.775 124.475,175.775 v1(124.5,175.75) ; v1(145.8,239.7) J2.2@145.8,241.9 ; v1(155.25,179.25) 156.25,180.25 156.25,194.5 157.5,195.75 157.5,220 v1(158.75,221.25)
  Mid-Bottom Layer w0.25: v1(124.5,175.75) 124.5,176.7 125.9,178.1 154.1,178.1 v1(155.25,179.25) ; v1(145.8,239.7) 145.8,234.2 v1(158.75,221.25)
DRVLOGIC: C2P_1.1 C2P_2.1 C2P_3.1 C2P_4.1 C2P_5.1 C2P_6.1 C2P_7.1 C2P_8.1 pad.0@109.85,95.1 pad.0@109.85,111.1 pad.0@109.85,127.1 pad.0@109.85,143.1 pad.0@140.15,106.9 pad.0@140.15,122.9 pad.0@140.15,138.8 pad.0@140.15,154.9 R17.2 U1.42 U1P_1.6 U1P_2.6 U1P_3.6 U1P_4.6 U1P_5.6 U1P_6.6 U1P_7.6 U1P_8.6 | length 221.5
  Top Layer w0.2: v1(111.15,95.1) 111.775,95.725 U1P_8.6@111.775,97.6 ; v1(111.15,111.1) 111.775,111.725 U1P_7.6@111.775,113.6 ; v1(111.15,127.1) 111.775,127.725 U1P_6.6@111.775,129.6 ; v1(111.15,143.1) 111.775,143.725 U1P_5.6@111.775,145.6 ; U1P_1.6@138.225,104.4 138.225,106.275 v1(138.85,106.9) ; U1P_2.6@138.225,120.4 138.225,122.275 v1(138.85,122.9) ; U1P_3.6@138.225,136.3 138.225,138.175 v1(138.85,138.8) ; U1P_4.6@138.225,152.4 138.225,154.275 v1(138.85,154.9)
  Top Layer w0.25: R17.2@111,162.2 111.95,162.2 v1(114,164.25) ; v1(115.275,157.25) 115.525,157 121,157 122,156 122,154.499 v1(123,153.5) ; v1(116.25,164.25) U1.42@119.25,164.25
  Top Layer w0.3: pad.0@109.85,95.1 v1(111.15,95.1) ; pad.0@109.85,111.1 v1(111.15,111.1) ; pad.0@109.85,127.1 v1(111.15,127.1) ; pad.0@109.85,143.1 v1(111.15,143.1) ; v1(138.85,106.9) C2P_1.1@140.15,106.9 ; v1(138.85,122.9) C2P_2.1@140.15,122.9 ; v1(138.85,138.8) C2P_3.1@140.15,138.8 ; v1(138.85,154.9) C2P_4.1@140.15,154.9
  Mid-Top Layer w0.25: v1@115.1,95.625 v1@115.1,157.125 ; 115.1,108.618 115.1,110.55 ; v1@134.9,154.375 134.9,109.382 134.9,107.45 137.1,105.25 139.775,105.25 140.175,105.65 140.175,106.475 139.75,106.9 v1(138.85,106.9)
  Mid-Bottom Layer w0.25: v1(111.15,95.1) 111.675,95.625 v1@115.25,95.625 ; v1(111.15,111.1) 111.675,111.625 v1(115.275,111.625) ; v1(111.15,127.1) 111.675,127.625 v1(115.275,127.625) v1@115.25,127.625 ; v1(111.15,143.1) 111.725,143.675 v1(115.275,143.675) ; v1(114,164.25) v1(116.25,164.25) 115.275,164.25 v1(115.275,157.25) ; v1(123,153.5) 130.467,153.5 131.667,154.7 134.4,154.7 v1(134.725,154.375) ; v1(134.725,122.375) 138.325,122.375 v1(138.85,122.9) ; v1(134.725,138.275) 138.325,138.275 v1(138.85,138.8) ; v1@134.75,154.375 138.325,154.375 v1(138.85,154.9)
  other v1: 115.275,95.625
FB: C3.1 R18.1 U1.17 | length 8.3
  Top Layer w0.25: U1.17@128.75,170.75 128.75,171.8 129.95,173 132.3,173 C3.1@133.5,174.2 R18.1@135,174.2